# KiCad board VersaSens_HeEx.kicad_pcb (continued)
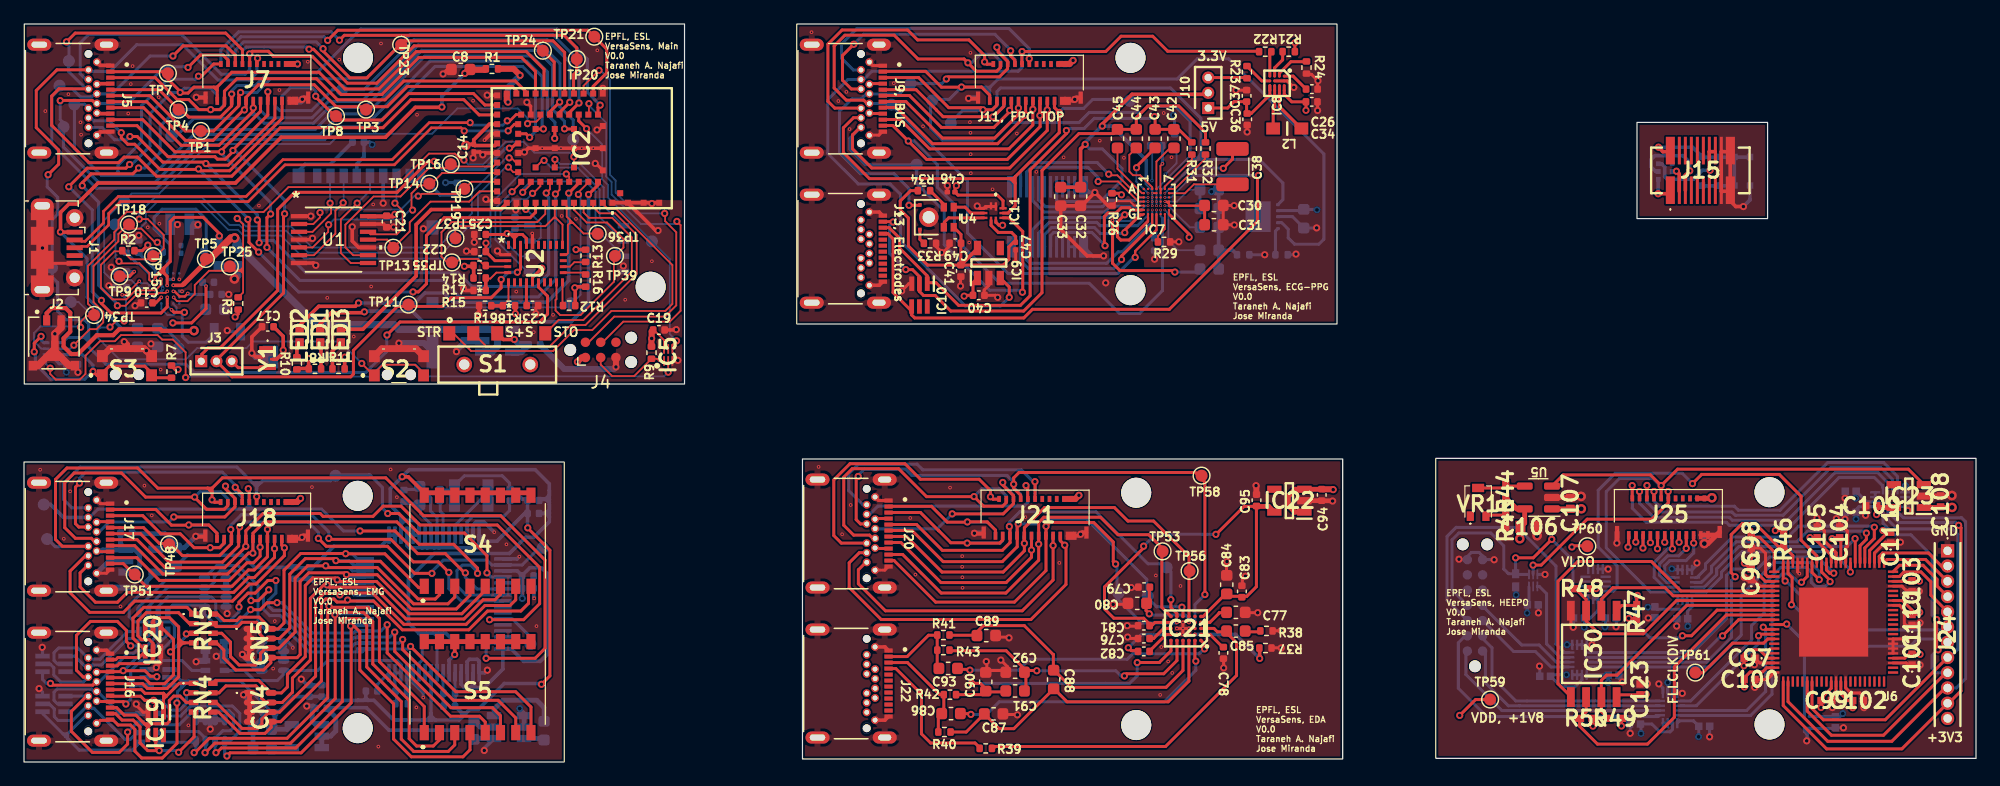
[diagram p0: board, top side]
## Routing (per net, layer and track width the routed paths; a pad name or vN(x,y) marks a point on that pad's centre or on a via; arc(x,y) is an arc through that point) (continued)
  Bottom w0.25: 17.21,19.35 17.21,19.71 18.1,20.6 23.96,20.6 25.39,19.18 v2(25.39,18.63) ; v2(35.39,15.8) 35.39,14.45 36.41,13.42 IC17.40 ; 17.27,19.29 17.27,18.6
  vias: v2(17.22,19.37)
/EMG/SDA: length 12.8
  Top w0.25: 16.67,18.59 16.67,18.25 16.28,17.86 v2(15.51,17.86) 14.17,17.86 13.01,19.02 11.4,19.02 9.89,20.53 J17.A3
  Bottom w0.25: 16.67,18.6 16.67,18.19 16.34,17.86 v2(15.51,17.86)
/EMG/SDI: length 43.3
  Top w0.25: J17.A6 9.7,19.03 12.07,16.66 16.53,16.66 17.88,18 17.88,19.51 v2(17.96,19.59) ; v2(24.52,18.63) 25.18,17.98 30.27,17.98 32.53,15.72 v2(33.98,15.72)
  Bottom w0.25: v2(33.98,15.72) 33.98,15.88 34.92,16.82 38.57,16.82 38.97,16.42 IC17.34 41.49,16.42 42.81,17.74 ; v2(24.52,18.63) 24.52,19.14 23.65,20.01 18.38,20.01 v2(17.96,19.59) 17.87,19.5 17.87,18.6
/EMG/SDO: length 55
  Top w0.25: J17.A7 9.42,18.53 11.76,16.19 16.72,16.19 18.47,17.95 v2(18.47,17.97) J18.9 18.47,19.27 19.92,20.71 24.67,20.71 24.91,20.47 29.07,20.47 29.92,21.32 31.4,21.32 32.97,19.75 39.42,19.75 42.95,16.22 42.95,13.19 41.62,11.86 v2(38.78,11.86)
  Bottom w0.25: v2(38.78,11.86) 38.85,11.92 IC17.43 40.68,11.92 42.18,10.42 TP50.1 ; 18.47,18.6 18.47,17.97 v2(18.47,17.97)
/EMG/Start: length 46.4
  Top w0.25: v2(18.68,22.78) 18.76,22.7 18.76,21.68 J18.10 ; v2(36.76,15.76) 36.7,15.76 35.09,17.36 32.79,17.36 30.9,19.25 v2(27.99,19.25)
  Bottom w0.25: 18.45,21.07 18.77,21.4 J18.10 ; 19.07,21.07 18.77,21.37 J18.10 ; 19.07,21.07 18.79,21.07 ; 19.07,21.07 24.78,21.07 26.6,19.25 v2(27.99,19.25) ; J18.10 18.77,21.09 18.79,21.07 ; 5.5,20.38 J17.B10 5.47,20.38 6.16,21.07 18.79,21.07 ; 18.77,21.67 18.75,21.69 18.75,22.71 v2(18.68,22.78) ; IC17.38 37.73,14.42 36.76,15.39 v2(36.76,15.76)
  Bottom w0.3: J17.B10 3.3,20.38 2.2,21.48 1.67,21.48
/HEEPO/BOOT_SELECT_HEEP: length 28.7
  Top w0.25: v2(142.54,15.44) 142.2,15.78 142.2,18.95 143.13,19.88 144.2,19.88 146.13,17.95 146.6,17.95 147.34,17.21 U6.86
  Bottom w0.25: v2(142.54,15.44) 142.23,15.13 142.23,10.39 140.16,8.32 IC29.11
/HEEPO/CLK_HEEP: length 9.4
  Top w0.25: U6.12 146.79,11.46 v2(146.83,11.5)
  Bottom w0.25: IC24.2 148.3,10.02 v2(146.83,11.5)
/HEEPO/CSB1: length 1.2
  Top w0.25: v2(136.67,18.32) 136.67,18.32 J25.11
  Bottom w0.25: v2(136.67,18.32) 136.67,18.9 J25.11
/HEEPO/FCLK: length 1.2
  Top w0.25: v2(137.86,18.32) 137.87,18.33 J25.15
  Bottom w0.25: J25.15 137.86,18.9 v2(137.86,18.32)
/HEEPO/FLASH_CS: length 18.1
  Top w0.25: IC30.1 133.1,13.05 R47.1 134.34,13.82 v2(134.4,13.88) ; v2(138.14,10.52) 138.89,10.52 141.03,12.66 U6.9
  Bottom w0.25: v2(134.4,13.88) 134.29,13.77 134.29,11.5 135.43,10.35 137.97,10.35 v2(138.14,10.52)
/HEEPO/FLASH_MISO: length 16
  Top w0.25: IC30.2 131.39,13.56 132.35,14.53 136.7,14.53 137.37,13.86 U6.6
/HEEPO/FLASH_MOSI: length 29.8
  Top w0.25: U6.5 138.01,14.26 135.56,16.71 129.42,16.71 127.78,15.07 127.78,6.52 128.85,5.45 IC30.5
/HEEPO/FLASH_nHLD_nRST: length 20.4
  Top w0.25: R49.1 131.39,4.21 IC30.7 131.39,6.8 131.83,7.24 132.7,7.24 138.51,13.06 U6.8
/HEEPO/FLASH_nWP: length 20.4
  Top w0.25: U6.7 137.65,13.46 134.88,10.68 131.19,10.68 130.12,11.76 IC30.3 ; IC30.3 130.12,13.55 R48.1 ; IC30.3 130.09,12.64
/HEEPO/FLASH_SCK: length 26.4
  Top w0.25: IC30.6 130.12,4.18 R50.1 129.58,2.98 131.07,1.49 135.23,1.49 137.47,3.73 137.47,7.92 141.8,12.26 U6.10
/HEEPO/FLL_CLK_DIV: length 7.7
  Top w0.25: 139.25,7.43 139.84,7.43 142.31,9.9 144.91,9.9 145.26,10.26 U6.15
/HEEPO/GPIO0: length 16.1
  Top w0.25: v2(152.13,15.84) 152.14,15.85 152.14,16.59
  Bottom w0.25: v2(152.13,15.84) 152.13,16.01 150.62,17.53 143.11,17.53 141.4,15.82 141.4,15.43 140.14,14.17 139.24,14.17
/HEEPO/GPIO1: length 17.3
  Top w0.25: U6.73 152.54,18.6 v2(152.52,18.62)
  Bottom w0.25: IC26.11 139.95,14.57 141,15.61 141,16.1 142.84,17.95 151.86,17.95 v2(152.52,18.62)
/HEEPO/GPIO2: length 19.1
  Top w0.25: v2(153.47,19.08) 153.47,18.56 152.94,18.03 U6.72
  Bottom w0.25: v2(153.47,19.08) 153.3,19.24 148.57,19.24 147.69,18.36 142.62,18.36 140.57,16.31 140.57,15.82 139.72,14.97 IC26.10
/HEEPO/GPIO3: length 20.2
  Top w0.25: v2(154.13,19.56) 154.13,18.63 153.34,17.84 U6.71
  Bottom w0.25: 139.24,15.37 139.34,15.37 140.06,16.09 140.06,16.51 142.31,18.76 146.94,18.76 147.84,19.66 154.03,19.66 v2(154.13,19.56)
/HEEPO/GPIO4: length 6.8
  Top w0.25: U6.68 154.54,17.14 154.82,17.42 158.63,17.42 159.72,16.33 J24.2
/HEEPO/GPIO5: length 6.2
  Top w0.25: U6.67 155.21,16.88 158.39,16.88 160.21,15.06 J24.3
/HEEPO/GPIO6: length 6.4
  Top w0.25: U6.66 156.23,16.4 158.18,16.4 159.35,15.22 159.35,14.66 J24.4 160.03,13.79
/HEEPO/GPIO7: length 6.9
  Top w0.25: U6.65 156.22,15.46 156.6,15.84 158.01,15.84 158.83,15.02 158.83,13.91 J24.5 160.03,12.52
/HEEPO/I2C_SCL_HEEP: length 17
  Top w0.25: U6.88 146.54,15.24 v2(146.7,15.08)
  Bottom w0.25: J24.6 159.99,11.01 150.85,11.01 146.77,15.08 v2(146.7,15.08) 146.79,15.08
/HEEPO/I2C_SDA_HEEP: length 18.7
  Top w0.25: v2(147.22,13.1) 147.28,13.16 147.28,15.36 146.94,15.7 U6.87
  Bottom w0.25: v2(147.22,13.1) 147.36,13.1 150.82,9.64 157.1,9.64 157.7,10.25 159.96,10.25 J24.7 160.03,9.98
/HEEPO/JTAG_RESET: length 34.9
  Top w0.25: U6.81 149.34,17.17 148.03,18.48 148.03,22.15 146.21,23.97 139.75,23.97 v2(138.98,23.2)
  Bottom w0.25: 139.04,23.26 v2(138.98,23.2) 138.12,24.06 132.54,24.06 131.12,22.64 131.12,17.92 132.7,16.34 132.7,14.55 132.39,14.24 131.8,14.24
/HEEPO/JTAG_TCK: length 22.4
  Top w0.25: U6.83 148.54,15.46 v2(148.06,14.98)
  Bottom w0.25: 138,3.89 143.84,3.89 145.61,5.66 145.61,14.83 146.45,15.67 147.1,15.67 147.79,14.98 v2(148.06,14.98)
/HEEPO/JTAG_TDI: length 22.4
  Top w0.25: U6.80 149.74,15.84 150.44,15.13 v2(150.44,15.03)
  Bottom w0.25: v2(150.44,15.03) 150.03,14.61 149.24,14.61 148.88,14.97 148.88,15.81 148.48,16.21 146.33,16.21 144.95,14.83 144.95,12.42 143.9,11.37 143.9,10.16 138.83,5.09 138,5.09
/HEEPO/JTAG_TDO: length 27.6
  Top w0.25: U6.79 150.14,16.01 150.41,15.74 v2(150.75,15.74)
  Bottom w0.25: 130.43,9.12 138.98,9.12 141.81,11.95 141.81,15.54 142.35,16.09 144.39,16.09 145.39,17.09 149.4,17.09 v2(150.75,15.74)
/HEEPO/JTAG_TMS: length 27.3
  Top w0.25: U6.82 148.94,15.8 v2(149.54,15.2)
  Bottom w0.25: v2(149.54,15.2) 149.54,15.89 148.79,16.64 145.77,16.64 143.04,13.9 143.04,10.57 140.38,7.92 130.43,7.92
/HEEPO/nRST_HEEP: length 16.7
  Top w0.25: U6.11 142.83,11.86 v2(141.48,10.51)
  Bottom w0.25: v2(141.48,10.51) 141.36,10.51 139.57,8.72 IC29.10
/HEEPO/nRST_LOGIC: length 7.6
  Bottom w0.25: IC29.3 127.95,8.72 126.83,9.85 126.83,14.02 126.22,14.63 IC31.4
/HEEPO/P_BOOT_SELECT: length 9.2
  Bottom w0.25: IC29.2 127.64,8.32 126.21,9.75 124.76,9.75 121.5,13.01 J27.11
/HEEPO/P_RESET: length 25.8
  Top w0.25: v2(127.26,18.56) 125.72,17.02 v2(124.25,17.02)
  Bottom w0.25: R51.1 123.65,15.69 123.26,16.09 123.26,18.01 122.18,19.09 119.52,19.09 118.95,18.52 118.95,14.33 J27.4 ; v2(124.25,17.02) 124.25,15.79 124.41,15.63 125.29,15.63 ; 130.03,14.24 129.53,14.24 129.03,14.74 129.03,16.79 v2(127.26,18.56)
/HEEPO/Reset: length 15.7
  Top w0.25: v2(136.96,22.55) 136.97,22.53 J25.12 136.97,21.6 135.6,20.24 130.21,20.24 126.38,16.41 v2(125.7,16.41)
  Bottom w0.25: v2(136.96,22.55) 136.96,21.99 J25.12 ; v2(125.7,16.41) 125.7,16.17 125.71,16.17 IC31.2
/HEEPO/RX0: length 18.1
  Bottom w0.25: J27.14 121.73,9.01 121.73,6.6 123.64,4.69 IC28.3
/HEEPO/RX0_HEEP: length 14.2
  Top w0.25: v2(144.87,11.24) 145.05,11.06 U6.13
  Bottom w0.25: IC28.11 143.49,4.29 145.08,5.88 145.08,11.03 v2(144.87,11.24)
/HEEPO/SCL: length 2
  Top w0.25: J25.1 133.66,18.89 133.66,17.96 v2(133.61,17.91)
  Bottom w0.25: v2(133.61,17.91) 133.67,17.97 J25.1
/HEEPO/SCLK: length 2.2
  Top w0.25: J25.5 134.85,18.89 v2(134.85,17.83)
  Bottom w0.25: J25.5 134.87,17.85 v2(134.85,17.83)
/HEEPO/SDA: length 1.2
  Top w0.25: v2(134.26,18.33) 134.27,18.35 J25.3
  Bottom w0.25: v2(134.26,18.33) 134.26,18.89 J25.3
/HEEPO/SDI: length 1.2
  Top w0.25: v2(135.47,18.28) 135.47,18.29 J25.7
  Bottom w0.25: J25.7 135.47,18.9 v2(135.47,18.28)
/HEEPO/SDO: length 2.3
  Top w0.25: v2(136.06,17.77) 136.07,17.78 J25.9
  Bottom w0.25: J25.9 136.07,17.78 v2(136.06,17.77)
/HEEPO/SPI_CS_HEEP: length 34.6
  Top w0.25: 160.03,7.44 160.1,7.44 154.89,2.23 150.55,2.23 148.54,4.24 U6.28 ; v2(159.32,11.87) 159.32,9.46 v2(159.44,9.35)
  Bottom w0.25: v2(159.32,11.87) 158.94,12.25 158.94,17.17 157.18,18.93 155.81,18.93 154.85,19.89 154.85,21 ; v2(159.44,9.35) 159.39,9.35 158.94,8.89 158.94,7.82 159.33,7.44 J24.9
/HEEPO/SPI_MISO_HEEP: length 39.4
  Top w0.25: U6.24 146.94,5.03 150.24,1.72 155.58,1.72 160.03,6.17 J24.10
  Bottom w0.25: 160.03,6.17 160.95,6.17 161.73,6.95 161.73,20.02 161.39,20.36 156.55,20.36 156.05,20.86 156.05,21 156.05,21
/HEEPO/SPI_MOSI_HEEP: length 40.8
  Top w0.25: 160.03,4.9 160.32,4.9 161.35,5.93 161.35,19.53 v2(161.15,19.73) ; U6.23 146.54,4.7 150.15,1.09 156.42,1.09 J24.11
  Bottom w0.25: v2(161.15,19.73) 160.92,19.95 156.16,19.95 155.65,20.46 IC25.10
/HEEPO/SPI_SCK_HEEP: length 34.4
  Top w0.25: U6.29 148.94,4.46 149.88,3.52 155.04,3.52 J24.8 160.03,8.71
  Bottom w0.25: 160.03,8.71 160.4,8.71 161.09,9.4 161.09,18.98 160.64,19.43 156.02,19.43 155.25,20.2 IC25.11
/HEEPO/Start: length 52.4
  Top w0.25: 126.95,22.99 U5.3 128.21,23.93 135.48,23.93 v2(136.37,23.04) ; v2(136.37,23.04) 137.74,24.4 156.96,24.4 IC23.3 ; v2(136.37,23.04) 136.37,21.97 J25.10
  Bottom w0.25: 137.46,14.17 135.47,14.17 131.8,17.84 131.8,22.53 132.9,23.63 135.69,23.63 136.28,23.04 v2(136.37,23.04) 136.37,23.04 J25.10
/HEEPO/TCK: length 22.5
  Bottom w0.25: 121.74,3.89 119.48,6.15 119.48,9.94 120.05,10.52 J27.2 ; 121.74,3.89 121.85,3.78 136.1,3.78 136.21,3.85
/HEEPO/TDI: length 18.5
  Bottom w0.25: 136.21,5.09 124.26,5.09 122.29,7.06 122.29,9.52 121.5,10.3 J27.13
/HEEPO/TDO: length 26.3
  Bottom w0.25: 128.67,9.12 128.32,9.12 127.61,9.83 127.61,16.32 124.38,19.56 119.29,19.56 118.54,18.8 118.54,13.48 J27.3
/HEEPO/TMS: length 8.9
  Bottom w0.25: 128.27,7.92 127.19,7.92 125.9,9.21 124.07,9.21 J27.12 121.5,11.74 ; 128.67,7.92 128.16,7.92
/HEEPO/TX0: length 19.4
  Bottom w0.25: J27.1 120.19,9.25 120.11,9.17 120.11,7.29 123.11,4.29 136.26,4.29 IC28.2
/HEEPO/TX0_HEEP: length 10.7
  Top w0.25: U6.14 144.62,10.66 v2(144.48,10.52)
  Bottom w0.25: v2(144.48,10.52) 144.48,9.87 139.3,4.69 IC28.10
/HEEPO/USB_GP1: length 26.5
  Top w0.25: v2(133.96,23.04) 133.96,21.98 J25.2
  Bottom w0.25: 154.8,22.86 154.8,23.03 154.11,23.72 151.2,23.72 147.21,19.73 142.05,19.73 141.8,19.98 135.13,19.98 133.97,21.14 J25.2 133.97,23.02 v2(133.96,23.04)
/HEEPO/USB_GP2: length 25.3
  Top w0.25: J25.4 134.57,22.54 v2(134.57,22.55)
  Bottom w0.25: 154.49,24.04 155.25,23.28 IC25.2 ; 154.48,24.07 154.43,24.12 150.87,24.12 146.89,20.15 142.31,20.15 142.06,20.39 135.75,20.39 134.57,21.57 J25.4 134.57,21.98 v2(134.57,22.55)
/HEEPO/USB_GP3: length 26.2
  Top w0.25: J25.6 135.19,21.99 v2(135.19,23.05)
  Bottom w0.25: v2(135.19,23.05) 135.17,23.03 J25.6 135.17,21.68 136.02,20.83 142.27,20.83 142.54,20.56 146.52,20.56 150.5,24.54 154.65,24.54 155.64,23.55 ; IC25.3 155.65,23.52
/HEEPO/USB_GP4: length 25.1
  Top w0.25: v2(135.77,22.55) 135.77,22.54 J25.8
  Bottom w0.25: v2(135.77,22.55) 135.77,21.97 J25.8 135.77,21.97 135.77,21.76 136.22,21.32 142.47,21.32 142.81,20.98 146.27,20.98 150.25,24.96 154.9,24.96 156.04,23.82 ; 156.05,23.79 156.05,22.78
/HEEPO/USB_GP5: length 7.6
  Top w0.25: v2(137.31,17.77) 137.27,17.81 J25.13
  Bottom w0.25: IC26.2 136.6,14.57 135.79,15.39 135.79,16.62 136.93,17.77 v2(137.31,17.77) 137.27,17.81 J25.13
/HEEPO/USB_GP6: length 7.4
  Top w0.25: J25.17 138.46,18.9 v2(138.46,17.81)
  Bottom w0.25: IC26.3 136.84,14.97 136.24,15.57 136.24,16.5 136.92,17.18 137.84,17.18 v2(138.46,17.81) 138.47,17.82 J25.17
/HEEPO/USB_GP7: length 6.5
  Top w0.25: J25.19 139.07,18.26 v2(139.08,18.25)
  Bottom w0.25: 137.46,15.37 137.08,15.37 136.67,15.78 136.67,16.36 137.09,16.78 138.45,16.78 139.08,17.42 v2(139.08,18.25) 139.08,18.9 J25.19
/HEEPO/vcore_ldo: length 95
  Top w0.25: U6.35 151.34,5.69 151.91,5.12 C102.2 152.33,4.52 v2(152.33,4.52) ; U6.60 156.47,13.46 157.27,12.65 C110.2 157.73,12.3 v2(157.91,12.48) ; C100.2 143.28,6.27 v2(143.3,6.25) ; C100.2 143.28,6.67 ; C100.2 143.35,6.94 143.35,7.07 143.78,7.5 144.81,7.5 145.16,7.86 U6.21 ; U6.70 153.74,17.63 155.26,19.15 C111.2 155.35,19.29 v2(154.84,19.29) ; v2(143.79,19.24) 143.88,19.15 C98.2 144.58,18.72 145.79,17.51 U6.1 ; v2(128.94,17.92) 129.04,18.02 130.29,18.02 ; 124.61,18.78 124.6,18.76 v3(124.6,18.6) 124.65,18.66 C106.2 ; U6.76 151.34,18.63 151.26,18.7 150.69,18.7 v2(150.6,18.62)
  Top w0.4: U5.5 124.92,21.09 ; U5.5 124.34,21.09 123.44,22 ; U5.5 125,19.91 124.69,19.6
  PWR w0.4: v2(128.94,17.92) 128.36,17.34 125.76,17.34 124.6,18.51 v3(124.6,18.6) 124.6,19.19 125.15,19.74 143.29,19.74 v2(143.79,19.24) 143.79,18.8 144.96,17.62 149.61,17.62 v2(150.6,18.62) 151.66,17.56 153.78,17.56 154.84,18.63 v2(154.84,19.29) 155.59,18.55 155.59,14.83 157.91,12.51 v2(157.91,12.48) 152.72,7.29 152.72,4.92 v2(152.33,4.52) 151.56,5.29 143.91,5.29 143.3,5.9 v2(143.3,6.25)
/Main/Battery+: length 18
  Top w0.35: J2.1 1.89,37.4 2.31,37.83 3.47,37.83 3.85,37.44 3.85,35.87 3.3,35.31 3.3,34.63 3.92,34 4.5,34 6.07,35.57 7.43,35.57 7.93,36.07 11.36,36.07 11.5,35.93 14.14,35.93 v3(14.16,35.95)
/Main/BNO_BOOT: length 18.7
  Top w0.15: 38.46,41.38 38.55,41.28 U2.4 ; IC2.13 43.42,46.59 43.42,45.67 42.74,44.99 35.61,44.99 34.77,44.15 34.77,42.11 35.63,41.26 36.29,41.92 37.81,41.92 38.43,41.3
/Main/BNO_INT: length 18.2
  Top w0.15: U2.14 44.36,38.59 44.28,38.5 44.28,37.63 44.66,37.25 46.36,37.25 49.13,40.02 49.13,42.08 49.93,42.88 49.93,43.59 48.56,44.96 46.87,44.96 45.81,46.02 45.81,46.6 IC2.7 45.85,46.56
/Main/BNO_MOSI: length 1.9
  Top w0.15: 46.71,41.64 46.71,41.65 45.84,41.65 45.47,41.28 U2.17
/Main/BNO_PS0: length 3.1
  Top w0.15: R18.2 40.36,38.5 U2.6
  Top w0.3: 39.89,38.02 R18.2 R19.2
/Main/BNO_PS1: length 3.1
  Top w0.15: U2.5 39.34,40.78 38.85,40.29 38.48,40.29
  Top w0.3: 38.46,40.38 38.47,40.37 38.47,39.3
/Main/BNO_RX: length 7.8
  Top w0.15: 45.73,44.92 45.73,44.92 45.47,44.92 ; 45.73,44.92 46.61,44.04 47.7,44.04 ; 45.73,44.92 45.47,45.18 ; U2.19 45.18,42.28 45.3,42.4 45.3,44.75 45.47,44.92 ; 45.47,44.92 45.47,45.18 ; 44.98,46.55 45.21,46.32 45.21,45.45 45.47,45.18
/Main/BNO_TX: length 13.8
  Top w0.15: 44.21,45.44 43.43,44.65 36.23,44.65 35.92,44.34 35.92,43.29 ; 44.1,45.32 44.33,45.32 ; 44.33,45.32 44.86,44.79 44.86,43.1 44.85,43.1 ; 44.33,45.32 44.21,45.43 IC2.11
/Main/CLK: length 33.1
  Top w0.25: IC2.50 44.61,54.13 v2(45.46,54.98)
  Bottom w0.25: v2(45.46,54.98) 45.46,58.32 43.59,60.19 32.47,60.19 28.31,56.03 25.69,56.03 23.94,54.28 21.31,54.28 20.9,54.7 J8.7
/Main/Conn_RESET: length 6.9
  Top w0.15: IC5.1 52.92,33.42 52.74,33.6 R9.1 50.83,32.17 48.99,32.17 48.04,33.12 J4.3
/Main/CSB1: length 59.5
  Top w0.25: v2(45.02,52.77) 45.04,52.75 IC2.65 ; J5.A8 9.96,54.53 13.1,51.39 16.24,51.39 19.1,54.25 v2(19.1,54.51) J7.11
  Bottom w0.25: 19.32,53.92 19.29,53.95 18.84,53.95 ; 19.32,53.92 19.1,54.14 v2(19.1,54.51) ; 19.32,53.92 20.01,53.23 24.1,53.23 25.41,54.54 28.36,54.54 33.13,59.31 42.74,59.31 44.03,58.01 44.03,54.37 45.02,53.38 v2(45.02,52.77) ; 18.84,53.95 19.1,54.2 v2(19.1,54.51) ; 18.84,53.95 18.54,53.64 14.17,53.64 12.5,51.98 12.37,51.98 ; v2(19.1,54.51) J7.11
/Main/CSB2: length 37.3
  Top w0.25: v2(44.62,55) 43.81,54.19 IC2.48
  Bottom w0.25: TP27.1 45.75,53.5 44.62,54.63 v2(44.62,55) 44.64,55.02 44.64,58.22 43.1,59.76 32.84,59.76 28.14,55.06 25.36,55.06 23.99,53.69 20.32,53.69 19.7,54.31 J8.11
/Main/Data: length 21.3
  Top w0.25: v2(24.3,55.48) 24.3,55.42 26.22,53.5 29.83,53.5 32.03,55.71 37.44,55.71 38.39,54.75 IC2.38
  Bottom w0.25: v2(24.3,55.48) 24.3,55.9 24.01,56.19 22.18,56.19 21.5,55.51 J8.5
/Main/FCLK: length 74.3
  Top w0.25: v2(39.75,40.21) 39.74,40.2 39.74,39.52 38.91,38.69 35.58,38.69 34.86,37.97 31.1,37.97 27.44,34.31 27.44,32.32 27.21,32.1 17.34,32.1 J3.2 16.03,33.51 21.62,39.09 21.62,45.6 v2(21.71,45.69) ; U2.27 41.36,41.08 v2(41.1,40.82) ; J5.A11 9.41,53.03 11.99,50.45 15.9,50.45 16.11,50.24 16.77,50.24 17.4,50.87 v2(17.4,50.96) 17.4,51.01 20.31,53.92 v2(20.31,55.85) 20.31,55.12 J7.15
  Bottom w0.25: v2(41.1,40.82) 40.35,40.82 v2(39.75,40.21) ; J7.15 20.31,55.12 v2(20.31,55.85) ; v2(17.4,50.96) 17.57,50.96 21.71,46.83 v2(21.71,45.69)
/Main/INT1: length 36.3
  Top w0.25: v2(26.27,60.16) 26.68,60.56 45,60.56 46.05,59.51 46.05,57.56 45.78,57.29 45.78,55.74 IC2.53
  Bottom w0.25: v2(26.27,60.16) 25.58,60.85 17.88,60.85 16.4,59.37 J8.22
/Main/INT2: length 38.5
  Top w0.25: IC2.57 47.41,56.31 48.54,57.44 48.54,59.41 46.97,60.98 26.13,60.98 v2(25.29,60.14)
  Bottom w0.25: J8.20 17,59.36 18.08,60.44 24.99,60.44 v2(25.29,60.14)
/Main/INT3: length 35.3
  Top w0.25: v2(24.91,59.44) 24.91,59.25 27.14,57.02 28.57,57.02 31.65,60.1 44.06,60.1 45.03,59.13 45.03,55.73 IC2.51
  Bottom w0.25: v2(24.91,59.44) 24.34,60.01 18.3,60.01 17.6,59.31 J8.18
/Main/INT4: length 33
  Top w0.25: v2(23.74,59.4) 24.11,59.4 26.94,56.57 29.38,56.57 32.5,59.68 42.82,59.68 44.16,58.33 44.16,55.75 IC2.49
  Bottom w0.25: v2(23.74,59.4) 23.56,59.58 18.5,59.58 18.2,59.28 J8.16
/Main/LED_G: length 33.5
  Top w0.25: 46.23,48.33 IC2.8 46.21,48.24 v2(45.38,47.41)
  Top w0.3: LED2.1 22.96,36.39 24.55,37.98 27.59,37.98 v2(27.86,38.25)
  Bottom w0.3: v2(27.86,38.25) 32.55,38.25 33.38,39.09 34.99,39.09 35.74,38.33 43.58,38.33 45.38,40.13 45.38,47.41 v2(45.38,47.41)
/Main/LED_R: length 34.8
  Top w0.25: v2(47.03,47.3) 47.81,48.08 IC2.4
  Top w0.3: v2(28.35,37.51) 28.28,37.44 25.6,37.44 24.67,36.52 LED1.1
  Bottom w0.3: v2(28.35,37.51) 28.42,37.58 32.33,37.58 33.22,36.69 45.58,36.69 47.03,38.14 v2(47.03,47.3)
/Main/LED_Y: length 20.7
  Top w0.3: LED3.1 28.22,36.06 32.66,40.5 32.66,44.79 33.92,46.04 39.7,46.04 40.21,46.55 IC2.20
/Main/Man_RESET: length 20.7
  Top w0.25: S3.5 10.63,32.41 10.06,32.99 7.1,32.99 6.53,32.42 ; S3.5 10.84,32.02 R7.1 ; S3.5 10.92,31.94 ; v2(5.75,32.55) 6.1,32.2 6.53,32.2 6.53,32.34 ; 10.63,32.2 10.63,32.34 ; v2(1.42,35.47) 0.85,34.91 v2(0.85,34.19) ; S3.1 6.53,32.38
  Bottom w0.25: IC4.3 1.66,34.94 1.42,35.18 v2(1.42,35.47) ; IC4.7 4.87,33.94 5.75,33.07 v2(5.75,32.55) 5.71,32.55 5.06,31.9 2.21,31.9 0.94,33.17 0.94,34.1 v2(0.85,34.19)
/Main/MEM_CLK: length 18.8
  Top w0.15: IC2.27 39.08,49.63 35.27,49.63 35.15,49.51 33.74,49.51 31.36,47.13 29.12,47.13 26.77,44.78 26.77,42.89 27.42,42.23 28.66,42.23
/Main/MEM_CLK_IN: length 10.1
  Top w0.15: U1.8 27.22,41.58 26.39,42.42 26.39,45.21 v2(27.75,46.57)
  Bottom w0.15: v2(27.75,46.57) 27.78,46.57 28.82,47.62 J6.5
/Main/MEM_CS: length 18.2
  Top w0.15: U1.2 24.1,44.84 24.66,45.39 v2(24.66,45.79) ; IC2.23 37.27,48.35 36.26,47.35 33.15,47.35 32.98,47.18 32.85,47.18 v2(32.84,47.16)
  Bottom w0.15: v2(32.84,47.16) 32.52,47.16 31.39,46.04 24.91,46.04 v2(24.66,45.79)
/Main/MEM_CS_IN: length 6.5
  Top w0.15: U1.3 24.04,44.18 25.58,45.72 25.58,46.49 v2(25.49,46.57)
  Bottom w0.15: J6.2 25.52,48.55 25.49,48.52 v2(25.49,46.57)
/Main/MEM_MISO: length 13.3
  Top w0.15: TP13.1 32.13,44.23 32.13,44.97 33.86,46.7 37.09,46.7 37.95,47.56 39.41,47.56 IC2.22 ; 30.69,43.09 30.25,43.54 U1.11
/Main/MEM_MISO_IN: length 7.9
  Top w0.15: U1.12 28.86,43.98 31.05,43.98 31.54,44.47 31.54,45.93 v2(30.9,46.57)
  Bottom w0.15: J6.7 31.02,46.7 v2(30.9,46.57)
/Main/MEM_MOSI: length 20.4
  Top w0.15: U1.5 24.04,42.89 25.34,44.18 25.34,44.73 v2(25.38,44.77) ; v2(32.37,45.99) 32.28,46.09 32.28,47.39 32.95,48.06 33.81,48.06 34.83,49.08 39.34,49.08 IC2.25
  Bottom w0.15: v2(25.38,44.77) 25.81,45.21 31.34,45.21 32.13,45.99 v2(32.37,45.99)
/Main/MEM_MOSI_IN: length 8.9
  Top w0.15: v2(26.58,46.6) 25.93,45.95 25.93,44.02 24.15,42.23 22.91,42.23
  Bottom w0.15: J6.3 26.62,46.64 v2(26.58,46.6)
/Main/MEM_SW2_IN: length 22.8
  Top w0.15: IC2.6 47.01,48.3 46.18,47.47 v2(46.18,47.3)
  Bottom w0.15: v2(46.18,47.3) 46.36,47.12 46.36,38.93 45.32,37.89 34.48,37.89 J6.MP4
/Main/PMU_ALRT: length 44.7
  Top w0.15: 18.25,40.72 18.02,40.95 17.74,40.95 ; 17.74,40.95 18.23,40.95 18.25,40.93 ; 17.74,40.95 17.1,40.95 17.09,40.94 15.41,40.94 14.22,39.75 14.22,39.01 13.61,38.4 12.75,38.4 IC1.B5 ; 17.74,40.95 17.99,40.95 18.25,41.21 18.25,41.59 ; 18.25,41.59 18.25,44.81 v2(17.76,45.3) ; 18.25,41.59 18.25,40.93 ; IC2.28 40.98,49.95 40.59,50.35 v2(40.41,50.35) ; R3.1 18.25,39.13 18.25,40.93
  Bottom w0.15: v2(40.41,50.35) 40.15,50.35 37.31,47.5 37.31,45.72 34.46,42.88 23.99,42.88 22.23,44.64 18.48,44.64 17.82,45.3 v2(17.76,45.3)
  vias: v1(12.47,38.72)
/Main/PMU_AMUX: length 50.2
  Top w0.15: v2(41.94,53.2) 42.1,53.36 42.68,53.36 43.01,53.7 IC2.46
  Bottom w0.15: IC1.C1 10.13,39.52 9.57,39.52 8.92,40.17 7.31,40.17 6.68,40.8 6.68,45.16 8.48,46.95 8.55,46.95 8.97,47.37 11.27,47.37 15.39,51.5 25.47,51.5 26.33,52.35 33.99,52.35 36.1,54.47 41.13,54.47 41.94,53.65 v2(41.94,53.2)
/Main/PMU_GPIO0: length 54.1
  Top w0.15: v2(45.17,49) 45.41,48.76 IC2.10 ; v2(7.91,41.73) 8.09,41.56 9.62,41.56 10.43,40.75 10.43,40.18 10.84,39.77 v1(10.85,39.77)
  Bottom w0.15: 7.75,44.79 8.14,44.41 9.59,44.41 10.15,44.96 10.15,45.74 11.13,46.73 14.62,46.73 17,44.35 17.8,44.35 18.28,43.87 21.41,43.87 23.33,41.95 37.84,41.95 38.85,42.97 38.85,46.51 41.35,49 v2(45.17,49) ; TP28.1 7.62,44.77 7.62,42.02 v2(7.91,41.73) ; v1(10.85,39.77) 10.89,39.77 IC1.D2
/Main/PMU_LDO0: length 2.6
  Bottom w0.25: IC1.F1 10.41,40.72 9.6,41.53 9.44,41.53 R4.1
/Main/PMU_LXB: length 1.1
  Bottom w0.25: v1(12.44,40.23) IC1.E5 IC1.E4 ; L1.1 12.76,44.82 v2(12.79,44.79)
/Main/PMU_nEN: length 43.6
  Top w0.15: v2(7.17,36.25) 7.67,36.75 v2(8.34,36.75) ; v1(8.18,38.93) 8.47,38.93 v1(9.6,40.06) ; S2.5 33.28,32.39 32.57,33.11 29.89,33.11 29.18,32.4 S2.1 29.13,32.22 v2(28.13,33.22)
  Bottom w0.15: v2(8.34,36.75) 8.5,36.91 8.5,38.6 8.18,38.92 v1(8.18,38.93) ; IC1.D1 10.26,39.9 9.76,39.9 v1(9.6,40.06) ; TP2.1 4.54,38.33 6.13,36.75 6.13,35.38 7.94,33.56 13.49,33.56 14.42,34.49 18.53,34.49 19.08,35.05 26.3,35.05 v2(28.13,33.22) ; v2(7.17,36.25) 7.13,36.21 6.18,36.21 ; 6.13,36.63 6.13,36.44 6.35,36.21 ; 6.34,36.21 6.13,36 ; 6.15,36.21 6.4,36.21
/Main/PMU_NIRQ: length 57.2
  Top w0.15: v2(40.34,49.58) 40.77,49.15 IC2.26 ; v1(11.4,40.25) 11.46,40.19 11.46,39.83 10.95,39.31 9.28,39.31 8.52,38.55 7.36,38.55 6.41,39.5 6.41,41.44 7.53,42.56 8.12,42.56 R2.1 8.9,41.89 10.73,41.89 11.63,42.79 11.63,43.92 10.31,45.25 v2(9.6,45.25)
  Bottom w0.15: v2(40.34,49.58) 40.32,49.56 40.1,49.56 37.81,47.27 37.81,45.4 34.86,42.45 23.67,42.45 21.84,44.27 18.4,44.27 17.92,44.76 17.13,44.76 14.84,47.04 10.87,47.04 9.6,45.76 v2(9.6,45.25)
/Main/PMU_NRST: length 20.1
  Top w0.15: v2(11.1,43.31) 10.91,43.31 9.77,44.45 8.67,44.45 8.67,44.81 7.86,44 7.86,43.4 5.79,41.33 5.79,38.33 6.6,37.52 6.6,36.64 6.03,36.07 5.48,36.07 4.15,34.75 v2(4.15,34.74)
  Bottom w0.15: v2(11.1,43.31) 11.52,42.89 11.52,42.52 11.43,42.43 IC1.F3 ; IC4.6 3.86,34.44 v2(4.15,34.74)
/Main/PMU_SBB0: length 13
  Bottom w0.25: C2.1 15.17,42.77 15.17,45.21 14.32,46.06 11.5,46.06 10.84,45.4 10.84,44.44 12.15,43.13 12.15,41.88 11.93,41.67 IC1.F4
/Main/PMU_SBB1: length 13.7
  Top w0.25: v1(11.92,39.72) 11.92,40.48 11.66,40.74 ; 11.66,41.19 12.18,41.71 12.18,45.04 12.53,45.39 14.93,45.39 16.27,44.05 v2(16.27,43.84) ; 11.66,41.19 11.66,40.74 ; 11.66,41.19 10.93,40.46 v1(10.93,40.22) ; 11.66,40.74 11.61,40.79 11.26,40.79 11.02,40.55
  Bottom w0.15: 11.93,39.72 v1(11.92,39.72) 11.93,39.72 IC1.D4
  Bottom w0.25: IC1.E2 v1(10.93,40.22) ; 16.25,43.82 v2(16.27,43.84) ; C3.1 16.25,42.85
  Bottom w0.6: 16.25,42.85 16.25,43.82
/Main/PMU_SBB2: length 34.9
  Top w0.25: 15.14,41.9 15.14,41.72
  Top w0.3: 13.31,39.84 13.19,39.73 v1(12.44,39.73)
  Top w0.4: 13.31,39.84 13.32,39.84 15.14,41.67 15.14,41.72
  Top w0.6: v3(17.55,43.67) 17.24,43.67 15.46,41.9 15.14,41.9
  Bottom w0.25: v1(12.44,39.73) IC1.D5
  Bottom w0.6: v3(17.55,43.67) 17.8,43.42 C4.1 17.96,42.85 24.36,36.45 30.82,36.45 31.22,36.05 IC3.3 38.98,36.05 39.44,35.59 39.44,34.64 38.95,34.15 IC3.1
/Main/PMU_SYS: length 8.4
  Top w0.25: v2(12.4,36.59) 12.4,36.59 13.96,36.59 15.16,37.79 v1(15.16,39.66)
  Bottom w0.25: 12.88,34.38 12.88,35.02 11.75,36.15 C6.1 ; v1(15.16,39.66) 14.87,39.95 C7.2
/Main/PMU_TH: length 7.3
  Top w0.25: v1(12.29,37.69) 12.49,37.48 v2(13.36,37.48)
  Bottom w0.15: IC1.A4 11.93,38.04 v1(12.29,37.69)
  Bottom w0.25: RT1.1 15.84,35.66 15.18,34.99 13.67,34.99 13.18,35.48 13.18,37.29 v2(13.36,37.48)
/Main/QSPI_CLK: length 10
  Top w0.15: IC2.16 43.01,47.98 42.42,47.39 v2(42.36,47.39)
  Bottom w0.15: v2(42.36,47.39) 41.88,46.91 40.73,46.91 39.69,45.86 39.69,43.74 41.28,42.15 IC6.6 ; v2(42.36,47.39) 42.39,47.39 42.48,47.3 ; v2(42.36,47.39) 42.36,47.38
/Main/QSPI_CSN: length 9.6
  Top w0.15: v2(44.22,50.22) 44.21,50.2 IC2.61
  Bottom w0.15: v2(44.22,50.22) 44.26,50.22 44.64,49.84 46.32,49.84 48.29,47.87 48.29,46.33 IC6.1
/Main/QSPI_IO0: length 9.7
  Top w0.15: v2(40.66,47.53) 41.4,48.27 41.4,48.34 IC2.24
  Bottom w0.15: v2(40.66,47.53) 39.27,46.14 39.27,43.52 41.91,40.88 IC6.5
/Main/QSPI_IO1: length 11.7
  Top w0.15: IC2.62 43.19,50.13 v2(43.32,50.13)
  Bottom w0.15: IC6.2 47.95,45.4 47.95,47.7 46.12,49.54 43.92,49.54 v2(43.32,50.13)
